# Allegro board RK3588S_Template_LP4XD556P164SD10H2_33X33_2133MHz_H1R6_V10_20220315YWQ.brd
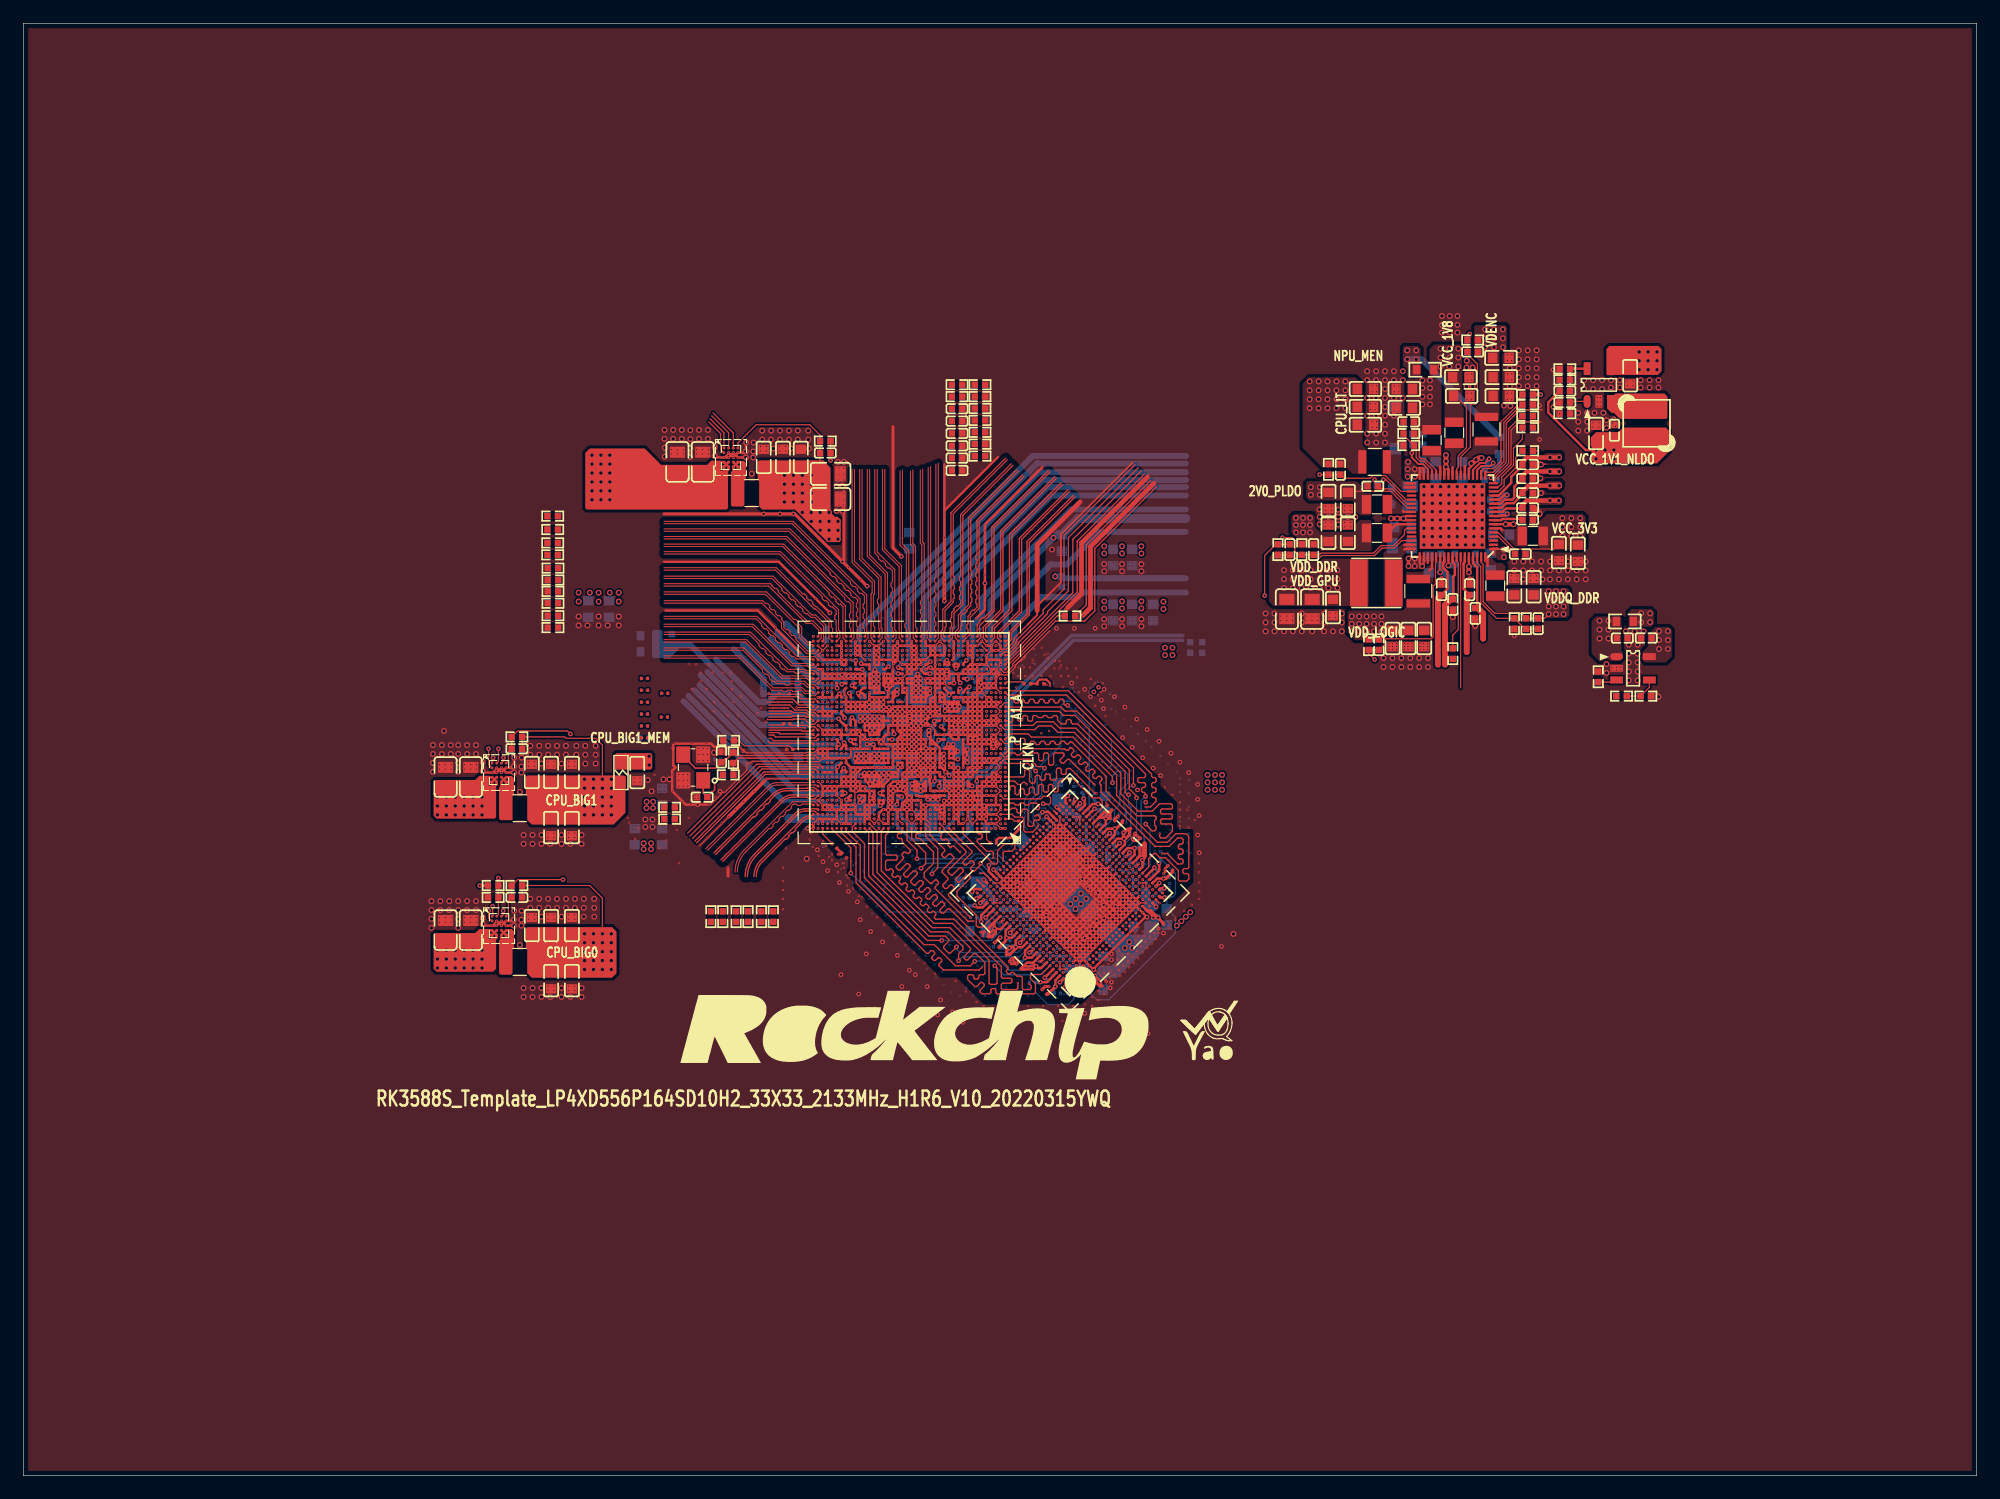
[diagram p0: board, top side]
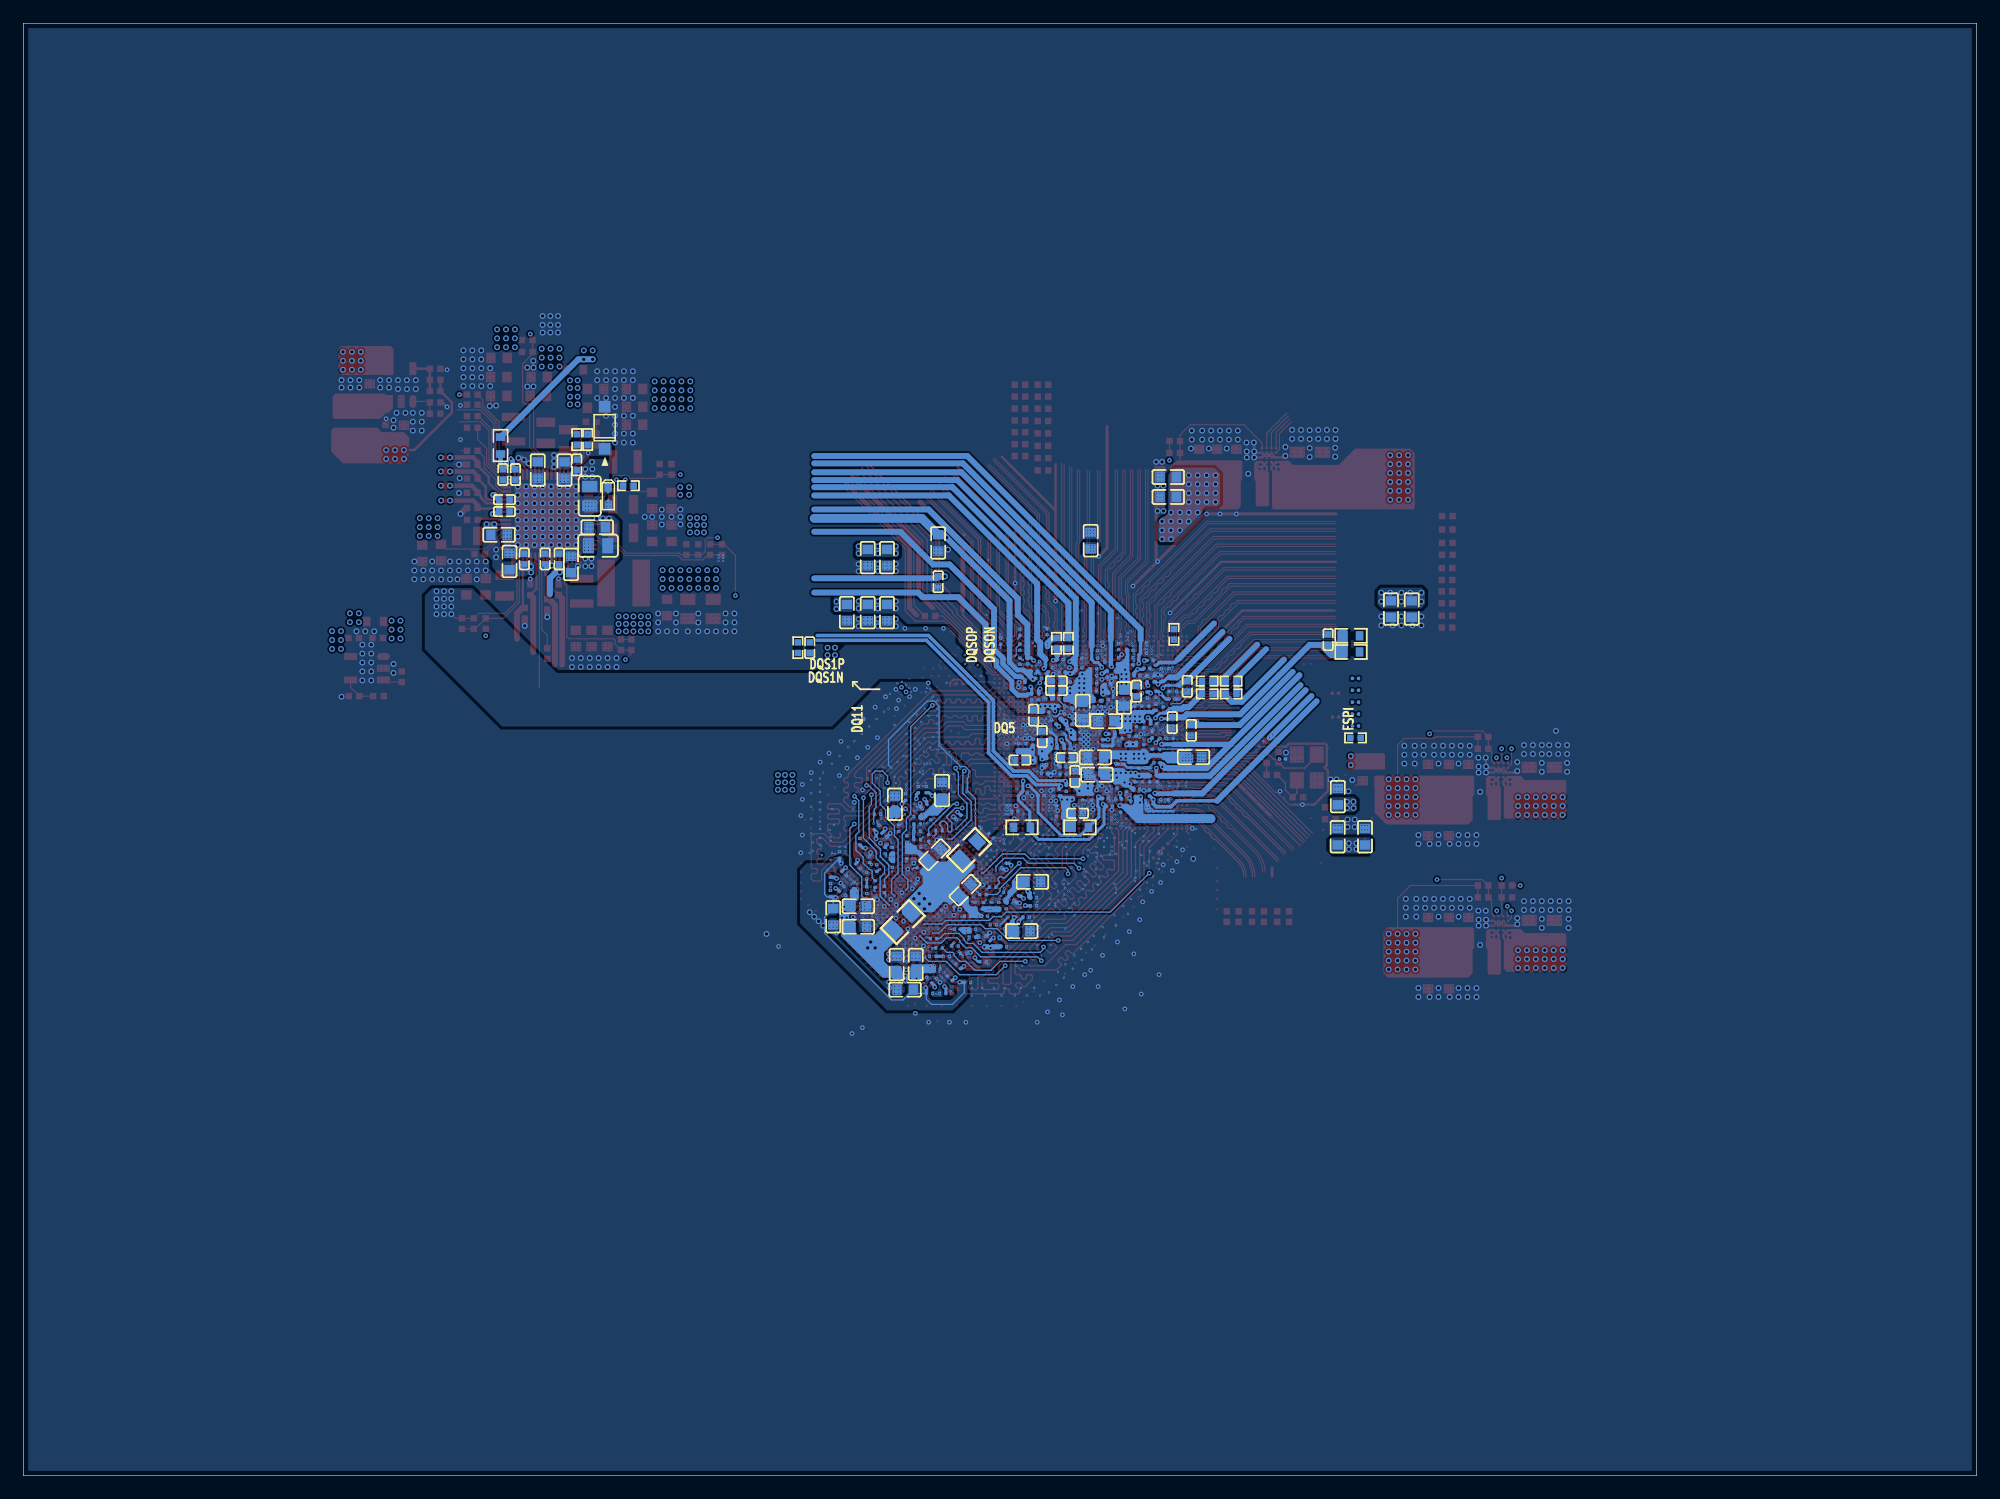
[diagram p1: board, bottom side, seen from below]

Outline 166.88 x 124.08 mm; copper layers: TOP, L2-GND1, L3-S1, L4-POWER1, L5-POWER2, L6-S2, L7-GND2, L8-S3, L9-GND3, BOTTOM. Coordinates in mm from the lower left corner of the outline.
Outline path: 0,124.08 0,0 166.88,0 166.88,124.08 0,124.08

## Design rules (mm)
net group DDR_CH0_LP4/4X_CKE0/LP5_CS0_A: nets DDR_CH0_LP4/4X_CKE0/LP5_CS0_A N33169667
net group DDR_CH0_LP4/4X_CKE0/LP5_CS0_B: nets DDR_CH0_LP4/4X_CKE0/LP5_CS0_B N33173462
net group DDR_CH0_LP4/4X_CKE1/LP5_CS1_A: nets DDR_CH0_LP4/4X_CKE1/LP5_CS1_A N33169678
net group DDR_CH0_LP4/4X_CKE1/LP5_CS1_B: nets DDR_CH0_LP4/4X_CKE1/LP5_CS1_B N33173464
net group DDR_CH1_LP4/4X_CKE0/LP5_CS0_C: nets DDR_CH1_LP4/4X_CKE0/LP5_CS0_C N33173685
net group DDR_CH1_LP4/4X_CKE0/LP5_CS0_D: nets DDR_CH1_LP4/4X_CKE0/LP5_CS0_D N33169951
net group DDR_CH1_LP4/4X_CKE1/LP5_CS1_C: nets DDR_CH1_LP4/4X_CKE1/LP5_CS1_C N33173683
net group DDR_CH1_LP4/4X_CKE1/LP5_CS1_D: nets DDR_CH1_LP4/4X_CKE1/LP5_CS1_D N33169953
net group DP_RX0_D0: nets MIPI_CSI0_RX_D0N MIPI_CSI0_RX_D0P
net group DPHY0_RX_CLK: nets MIPI_CPHY0_RX_TRIO1_B MIPI_CPHY0_RX_TRIO1_C
net group DPHY0_RX_D0: nets MIPI_CPHY0_RX_TRIO0_A MIPI_CPHY0_RX_TRIO0_B
net group DPHY0_RX_D1: nets MIPI_CPHY0_RX_TRIO0_C MIPI_CPHY0_RX_TRIO1_A
net group DPHY0_RX_D2: nets MIPI_CPHY0_RX_TRIO2_A MIPI_CPHY0_RX_TRIO2_B
net group DPHY0_RX_D3: nets MIPI_CPHY0_RX_TRIO2_C MIPI_DPHY0_RX_D3P
net group DPHY0_TX_CLK: nets MIPI_CPHY0_TX_TRIO1_B MIPI_CPHY0_TX_TRIO1_C
net group DPHY0_TX_D0: nets MIPI_CPHY0_TX_TRIO0_A MIPI_CPHY0_TX_TRIO0_B
net group DPHY0_TX_D1: nets MIPI_CPHY0_TX_TRIO0_C MIPI_CPHY0_TX_TRIO1_A
net group DPHY0_TX_D2: nets MIPI_CPHY0_TX_TRIO2_A MIPI_CPHY0_TX_TRIO2_B
net group DPHY0_TX_D3: nets MIPI_CPHY0_TX_TRIO2_C MIPI_DPHY0_TX_D3P
net group DPHY1_RX_CLK: nets MIPI_CPHY1_RX_TRIO1_B MIPI_CPHY1_RX_TRIO1_C
net group DPHY1_RX_D0: nets MIPI_CPHY1_RX_TRIO0_A MIPI_CPHY1_RX_TRIO0_B
net group DPHY1_RX_D1: nets MIPI_CPHY1_RX_TRIO0_C MIPI_CPHY1_RX_TRIO1_A
net group DPHY1_RX_D2: nets MIPI_CPHY1_RX_TRIO2_A MIPI_CPHY1_RX_TRIO2_B
net group DPHY1_RX_D3: nets MIPI_CPHY1_RX_TRIO2_C MIPI_DPHY1_RX_D3P
net group DPHY1_TX_CLK: nets MIPI_DPHY1_TX_CLKN MIPI_DPHY1_TX_CLKP
net group DPHY1_TX_D0: nets MIPI_DPHY1_TX_D0N MIPI_DPHY1_TX_D0P
net group DPHY1_TX_D1: nets MIPI_DPHY1_TX_D1N MIPI_DPHY1_TX_D1P
net group DPHY1_TX_D2: nets MIPI_DPHY1_TX_D2N MIPI_DPHY1_TX_D2P
net group DPHY1_TX_D3: nets MIPI_DPHY1_TX_D3N MIPI_DPHY1_TX_D3P
net group EDP0_D1: nets EDP_TX0_D1N EDP_TX0_D1P
net group EDP0_D2: nets EDP_TX0_D2N EDP_TX0_D2P
net group EDP0_D3: nets EDP_TX0_D3N EDP_TX0_D3P
net group EDP_TX0_AUX: nets EDP_TX0_AUXN EDP_TX0_AUXP
net group EMMC_CLKOUT: nets EMMC_CLKOUT N31111592
net group EMMC_D4: nets EMMC_D4 N31111434
net group EMMC_D5: nets EMMC_D5 N31111436
net group I2C3_SCL_M1_SENSOR: nets I2C3_SCL_M1_SENSOR I2C3_SDA_M1_SENSOR
net group M_DDR_CH0_B_DATA0: nets DDR_CH0_DQS0N_B DDR_CH0_DQS0P_B
net group MIPI_CSI0_RX_CLK0: nets MIPI_CSI0_RX_CLK0N MIPI_CSI0_RX_CLK0P
net group MIPI_CSI0_RX_CLK1: nets MIPI_CSI0_RX_CLK1N MIPI_CSI0_RX_CLK1P
net group MIPI_CSI0_RX_D1: nets MIPI_CSI0_RX_D1N MIPI_CSI0_RX_D1P
net group MIPI_CSI0_RX_D2: nets MIPI_CSI0_RX_D2N MIPI_CSI0_RX_D2P
net group MIPI_CSI0_RX_D3: nets MIPI_CSI0_RX_D3N MIPI_CSI0_RX_D3P
net group PCIE20_1_REFCLK: nets PCIE20_0_REFCLKN PCIE20_0_REFCLKP
net group PCIE20_1_RX: nets PCIE20_0_RXN PCIE20_0_RXP
net group PCIE20_1_TX: nets PCIE20_0_TXN PCIE20_0_TXP
net group PCIE20_2_REFCLK: nets PCIE20_2_REFCLKN PCIE20_2_REFCLKP
net group PCIE20_2_RX: nets USB30_2_SSRXN USB30_2_SSRXP
net group PCIE20_2_TX: nets USB30_2_SSTXN USB30_2_SSTXP
net group PMIC_RESET_L: nets PMIC_RESET_L TSADC_SHUT
net group PMIC_SW8: nets PMIC_SW8 VCC_3V3_S3
net group TYPEC0_OTG: nets TYPEC0_OTG_DM TYPEC0_OTG_DP
net group TYPEC0_SSRX1: nets TYPEC0_SSRX1N TYPEC0_SSRX1P
net group TYPEC0_SSRX2: nets TYPEC0_SSRX2N TYPEC0_SSRX2P
net group TYPEC0_SSTX1: nets TYPEC0_SSTX1N TYPEC0_SSTX1P
net group TYPEC0_SSTX2: nets TYPEC0_SSTX2N TYPEC0_SSTX2P
net group USB20_HOST0_D: nets USB20_HOST0_DM USB20_HOST0_DP
net group USB20_HOST1_D: nets USB20_HOST1_DM USB20_HOST1_DP
net group 45OHM: nets DDR_CH0_DM0_A DDR_CH0_DM0_B DDR_CH0_DM1_A DDR_CH0_DM1_B DDR_CH0_DQ0_A DDR_CH0_DQ0_B DDR_CH0_DQ1_A DDR_CH0_DQ1_B DDR_CH0_DQ2_A DDR_CH0_DQ2_B DDR_CH0_DQ3_A DDR_CH0_DQ3_B DDR_CH0_DQ4_A DDR_CH0_DQ4_B DDR_CH0_DQ5_A DDR_CH0_DQ5_B DDR_CH0_DQ6_A DDR_CH0_DQ6_B DDR_CH0_DQ7_A DDR_CH0_DQ7_B DDR_CH0_DQ8_A DDR_CH0_DQ8_B DDR_CH0_DQ9_A DDR_CH0_DQ9_B DDR_CH0_DQ10_A DDR_CH0_DQ10_B DDR_CH0_DQ11_A DDR_CH0_DQ11_B DDR_CH0_DQ12_A DDR_CH0_DQ12_B DDR_CH0_DQ13_A DDR_CH0_DQ13_B DDR_CH0_DQ14_A DDR_CH0_DQ14_B DDR_CH0_DQ15_A DDR_CH0_DQ15_B DDR_CH1_DM0_C DDR_CH1_DM0_D DDR_CH1_DM1_C DDR_CH1_DM1_D DDR_CH1_DQ0_C DDR_CH1_DQ0_D DDR_CH1_DQ1_C DDR_CH1_DQ1_D DDR_CH1_DQ2_C DDR_CH1_DQ2_D DDR_CH1_DQ3_C DDR_CH1_DQ3_D DDR_CH1_DQ4_C DDR_CH1_DQ4_D DDR_CH1_DQ5_C DDR_CH1_DQ5_D DDR_CH1_DQ6_C DDR_CH1_DQ6_D DDR_CH1_DQ7_C DDR_CH1_DQ7_D DDR_CH1_DQ8_C DDR_CH1_DQ8_D DDR_CH1_DQ9_C DDR_CH1_DQ9_D DDR_CH1_DQ10_C DDR_CH1_DQ10_D DDR_CH1_DQ11_C DDR_CH1_DQ11_D DDR_CH1_DQ12_C DDR_CH1_DQ12_D DDR_CH1_DQ13_C DDR_CH1_DQ13_D DDR_CH1_DQ14_C DDR_CH1_DQ14_D DDR_CH1_DQ15_C DDR_CH1_DQ15_D
net group 50OHM: nets DDR_CH0_A0_A DDR_CH0_A0_B DDR_CH0_A1_A DDR_CH0_A1_B DDR_CH0_A2_A DDR_CH0_A2_B DDR_CH0_A3_A DDR_CH0_A3_B DDR_CH0_A4_A DDR_CH0_A4_B DDR_CH0_A5_A DDR_CH0_A5_B DDR_CH0_A6_A DDR_CH0_A6_B DDR_CH0_LP4/4X_CS0_A DDR_CH0_LP4/4X_CS0_B DDR_CH0_LP4/4X_CS1_A DDR_CH0_LP4/4X_CS1_B DDR_CH1_A0_C DDR_CH1_A0_D DDR_CH1_A1_C DDR_CH1_A1_D DDR_CH1_A2_C DDR_CH1_A2_D DDR_CH1_A3_C DDR_CH1_A3_D DDR_CH1_A4_C DDR_CH1_A4_D DDR_CH1_A5_C DDR_CH1_A5_D DDR_CH1_A6_C DDR_CH1_A6_D DDR_CH1_LP4/4X_CS0_C DDR_CH1_LP4/4X_CS0_D DDR_CH1_LP4/4X_CS1_C DDR_CH1_LP4/4X_CS1_D DDR_RESET EMMC_D7 EMMC_DATA_STROBE EMMC_RSTN
net group 90OHM: nets DDR_CH0_WCK0N_A DDR_CH0_WCK0N_B DDR_CH0_WCK0P_A DDR_CH0_WCK0P_B DDR_CH0_WCK1N_A DDR_CH0_WCK1N_B DDR_CH0_WCK1P_A DDR_CH0_WCK1P_B DDR_CH1_WCK0N_C DDR_CH1_WCK0N_D DDR_CH1_WCK0P_C DDR_CH1_WCK0P_D DDR_CH1_WCK1N_C DDR_CH1_WCK1N_D DDR_CH1_WCK1P_C DDR_CH1_WCK1P_D
net group EMMC_CMD: nets EMMC_CMD EMMC_CMD/FSPI_CLK FSPI_CLK
net group EMMC_D0: nets EMMC_D0 EMMC_D0/FSPI_D0 FSPI_D0
net group EMMC_D1: nets EMMC_D1 EMMC_D1/FSPI_D1 FSPI_D1
net group EMMC_D2: nets EMMC_D2 EMMC_D2/FSPI_D2 FSPI_D2
net group EMMC_D3: nets EMMC_D3 EMMC_D3/FSPI_D3 FSPI_D3
net group EMMC_D6: nets EMMC_D6 EMMC_D6/FSPI_CS0 FSPI_CS0
net group M_DDR_CH0_A_DQS&CLK: nets DDR_CH0_CLKN_A DDR_CH0_CLKP_A DDR_CH0_DQS0N_A DDR_CH0_DQS0P_A DDR_CH0_DQS1N_A DDR_CH0_DQS1P_A
net group M_DDR_CH0_B_DQS&CLK: nets DDR_CH0_CLKN_B DDR_CH0_CLKP_B DDR_CH0_DQS1N_B DDR_CH0_DQS1P_B
net group M_DDR_CH1_C_DQS&CLK: nets DDR_CH1_CLKN_C DDR_CH1_CLKP_C DDR_CH1_DQS0N_C DDR_CH1_DQS0P_C DDR_CH1_DQS1N_C DDR_CH1_DQS1P_C
net group M_DDR_CH1_D_DQS&CLK: nets DDR_CH1_CLKN_D DDR_CH1_CLKP_D DDR_CH1_DQS0N_D DDR_CH1_DQS0P_D DDR_CH1_DQS1N_D DDR_CH1_DQS1P_D

## Placement (name value [footprint] x y rotation side)
C1000  1uF  [C0201#2]  75.45 68.94 180 bottom
C1001  100nF  [C0201#2]  75.47 67.05 180 bottom
C1002  1uF  [C0201#2]  70.64 59.54 270 bottom
C1003  100nF  [C0201#2]  71.88 59.54 270 bottom
C1004  1uF  [C0201#2]  78.16 66.37 0 bottom
C1005  100nF  [C0201#2]  77.29 65.84 270 bottom
C1006  22uF  [C0603]  76.38 65.38 270 bottom
C1007  100nF  [C0201#2]  75.41 65.94 270 bottom
C1008  22uF  [C0603]  75.16 59.89 0 bottom
C1009  100nF  [C0201#2]  71.27 59.54 270 bottom
C1010  1uF  [C0201#2]  71.77 58.65 180 bottom
C1011  100nF  [C0201#2]  72.62 58.67 270 bottom
C1012  22uF  [C0603]  75.29 61.37 0 bottom
C1013  1uF  [C0201#2]  70.99 60.72 270 bottom
C1014  100nF  [C0201#2]  72.22 60.75 270 bottom
C1015  100nF  [C0201#2]  71.61 60.72 270 bottom
C1017  10uF  [C0402]  71.78 67.03 90 bottom
C1019  10uF  [C0402]  80.57 64.98 270 bottom
C1020  1uF  [C0201#2]  74.78 65.96 270 bottom
C1021  1uF  [C0201#2]  73.3 57.81 0 bottom
C1022  100nF  [C0201#2]  79.53 65.23 180 bottom
C1023  100nF  [C0201#2]  70.43 63.3 90 bottom
C1024  100nF  [C0201#2]  78.16 65.74 180 bottom
C1025  1uF  [C0201#2]  71.78 62.92 90 bottom
C1026  100nF  [C0201#2]  59.3 61.23 180 bottom
C1027  22uF  [C0603]  74.37 64.47 0 bottom
C1028  1uF  [C0201#2]  71.93 65.49 90 bottom
C1029  100nF  [C0201#2]  71.17 64.16 270 bottom
C1030  10uF  [C0402]  77.72 61.34 180 bottom
C1031  1uF  [C0201#2]  79.63 60.02 0 bottom
C1032  1uF  [C0201#2]  78.05 59.94 180 bottom
C1033  100nF  [C0201#2]  78.05 60.55 180 bottom
C1034  100nF  [C0201#2]  72.03 63.98 180 bottom
C1035  1uF  [C0201#2]  73 63.27 270 bottom
C1036  1uF  [C0201#2]  76.86 62.92 180 bottom
C1037  100nF  [C0201#2]  76.86 63.53 180 bottom
C1038  22uF  [C0603]  72.85 66.45 270 bottom
C1039  1uF  [C0201#2]  72.34 69.27 180 bottom
C1040  100nF  [C0201#2]  73.3 69.62 90 bottom
C1041  1uF  [C0201#2]  73.54 68.47 270 bottom
C1042  1uF  [C0201#2]  74.17 66.57 270 bottom
C1043  100nF  [C0201#2]  74.22 67.59 180 bottom
C1050  22uF  [C0603]  94.74 78.44 270 bottom
C1051  22uF  [C0603]  93.09 78.44 270 bottom
C1052  22uF  [C0603]  52.26 54.58 90 bottom
C1053  22uF  [C0603]  54.59 54.58 90 bottom
C1054  22uF  [C0603]  69.06 85.32 0 bottom
C1055  22uF  [C0603]  69.06 83.62 0 bottom
C1056  22uF  [C0603]  54.58 58.01 90 bottom
C1057  22uF  [C0603]  66.9 61.39 180 bottom
C1058  22uF  [C0603]  94.74 73.74 270 bottom
C1059  22uF  [C0603]  93.09 73.74 270 bottom
C1060  22uF  [C0603]  50.04 74.04 270 bottom
C1061  22uF  [C0603]  48.26 74.04 270 bottom
C1063  1uF  [C0201#2]  77.55 64.21 180 bottom
C1070  1uF  [C0201#2]  77.16 67.81 0 bottom
C1071  1uF  [C0201#2]  75.45 68.33 180 bottom
C1072  100nF  [C0201#2]  75.45 67.7 180 bottom
C1073  100nF  [C0201#2]  73.44 59 270 bottom
C1074  1uF  [C0201#2]  73.51 60.56 90 bottom
C1075  1uF  [C0201#2]  72.88 60.51 90 bottom
C1076  100nF  [C0201#2]  72.4 62.92 90 bottom
C1077  100nF  [C0201#2]  70.44 61.8 90 bottom
C1078  1uF  [C0201#2]  71.15 62.18 90 bottom
C1079  1uF  [C0201#2]  69.78 61.78 90 bottom
C1080  100nF  [C0201#2]  78.11 64.87 135 bottom
C1081  100nF  [C0201#2]  70.11 65.64 90 bottom
C1082  100nF  [C0201#2]  71.33 65.49 90 bottom
C1083  1uF  [C0201#2]  70.72 65.49 90 bottom
C1084  100nF  [C0201#2]  72.34 70.52 180 bottom
C1085  100nF  [C0201#2]  72.34 69.88 180 bottom
C1087  22uF  [C0603]  75.69 79.88 90 bottom
C1090  22uF  [C0603]  96.52 73.74 270 bottom
C1100  100nF  [C0201#2]  70.03 59.54 270 bottom
C1101  100nF  [C0201#2]  70.03 60.91 0 bottom
C1103  100nF  [C0201#2]  74.68 62.62 270 bottom
C1104  100nF  [C0201#2]  73.88 63.37 180 bottom
C1105  100nF  [C0201#2]  70.11 66.76 270 bottom
C1106  100nF  [C0201#2]  68.63 62.73 90 bottom
C1107  100nF  [C0201#2]  69.49 62.99 180 bottom
C1110  100nF  [C0201#2]  65.48 62.05 180 top
C1111  18pF  [C0402]  57.99 57.96 180 top
C1112  18pF  [C0402]  59.64 61.39 90 top
C1113  1uF  [C0402]  67.44 67.44 270 bottom
C1114  1uF  [C0402]  67.1 63.68 270 bottom
C1125  1uF  [C0201#2]  68.76 66.34 180 bottom
C1200  10uF  [C0402]  81.74 61.14 0 bottom
C1202  100nF  [C0201#2]  81.23 62.28 90 bottom
C1203  100nF  [C0201#2]  81.86 62.28 90 bottom
C1204  100nF  [C0201#2]  80.59 62.66 90 bottom
C1205  10uF  [C0402]  76.81 56.59 180 bottom
C1206  100nF  [C0201#2]  78.33 56.34 0 bottom
C1207  100nF  [C0201#2]  78.33 57.23 0 bottom
C1208  100nF  [C0201#2]  78.64 58.04 0 bottom
C1209  1uF  [C0201#2]  77.7 62.13 180 bottom
C1210  1uF  [C0201#2]  77.77 58.72 270 bottom
C1211  1uF  [C0201#2]  81.38 58.32 180 bottom
C1212  1uF  [C0201#2]  74.09 57.2 180 bottom
C1213  1uF  [C0201#2]  74.42 57.86 180 bottom
C1214  1uF  [C0201#2]  78.64 58.65 0 bottom
C1215  1uF  [C0201#2]  78.85 64.39 45 bottom
C1216  1uF  [C0201#2]  79.93 58.12 180 bottom
C1217  10uF  [C0402]  77.04 59.74 90 bottom
C1218  100nF  [C0201#2]  79.45 61.01 270 bottom
C1219  1uF  [C0201#2]  76.38 57.99 270 bottom
C1220  100nF  [C0201#2]  75.31 58.93 180 bottom
C1221  1uF  [C0201#2]  79.12 63.25 90 bottom
C1222  100nF  [C0201#2]  75.62 57.99 270 bottom